# Allegro board LED_FIN.brd (continued)
## Routing (per net, layer and track width the routed paths; a pad name or vN(x,y) marks a point on that pad's centre or on a via; arc(x,y) is an arc through that point) (continued)
COL_CON_C5: length 66.2
  TOP w0.15: U458.1 267.05,37 266.85,37.2 227.9,37.2 227.7,37.4 J6.6
COL_CON_C6: length 65.5
  TOP w0.15: J6.7 226.43,37 226.63,36.8 264.85,36.8 265.05,36.6 U457.1
COL_CON_C7: length 64.8
  TOP w0.15: U456.1 263.05,36.2 262.85,36.4 225.36,36.4 225.16,36.6 J6.8
COL_CON_C8: length 64
  TOP w0.15: J6.9 223.89,36.2 224.09,36 260.85,36 261.05,35.8 U455.1
COL_CON_C9: length 63.3
  TOP w0.15: U454.1 259.05,35.4 258.85,35.6 222.82,35.6 222.62,35.8 J6.10
COL_CON_C10: length 62.6
  TOP w0.15: U453.1 257.05,35 256.85,35.2 221.55,35.2 221.35,35.4 J6.11
COL_CON_C11: length 61.8
  TOP w0.15: U452.1 255.05,34.6 254.85,34.8 220.28,34.8 220.08,35 J6.12
COL_CON_C12: length 61.1
  TOP w0.15: U451.1 253.05,34.2 252.85,34.4 219.01,34.4 218.81,34.6 J6.13
COL_CON_C13: length 60.4
  TOP w0.15: U450.1 251.05,33.8 250.85,34 217.74,34 217.54,34.2 J6.14
COL_CON_C14: length 59.6
  TOP w0.15: J6.15 216.27,33.8 216.47,33.6 248.85,33.6 249.05,33.4 U449.1
COL_CON_C15: length 58.9
  TOP w0.15: J6.16 215,33.4 215.2,33.2 246.85,33.2 247.05,33 U448.1
COL_CON_C16: length 58.2
  TOP w0.15: J6.17 213.73,33 213.93,32.8 244.85,32.8 245.05,32.6 U447.1
COL_CON_C17: length 57.5
  TOP w0.15: U446.1 243.05,32.2 242.85,32.4 212.66,32.4 212.46,32.6 J6.18
COL_CON_C18: length 56.7
  TOP w0.15: U445.1 241.05,31.8 240.85,32 211.39,32 211.19,32.2 J6.19
COL_CON_C19: length 56
  TOP w0.15: U444.1 239.05,31.4 238.85,31.6 210.12,31.6 209.92,31.8 J6.20
COL_CON_C20: length 55.3
  TOP w0.15: U443.1 237.05,31 236.85,31.2 208.85,31.2 208.65,31.4 J6.21
COL_CON_C21: length 54.5
  TOP w0.15: U442.1 235.05,30.6 234.85,30.8 207.58,30.8 207.38,31 J6.22
COL_CON_C22: length 53.8
  TOP w0.15: U441.1 233.05,30.2 232.85,30.4 206.31,30.4 206.11,30.6 J6.23
COL_CON_C23: length 53.1
  TOP w0.15: U440.1 231.05,29.8 230.85,30 205.04,30 204.84,30.2 J6.24
COL_CON_C24: length 52.3
  TOP w0.15: U439.1 229.05,29.4 228.85,29.6 203.77,29.6 203.57,29.8 J6.25
COL_CON_C25: length 51.6
  TOP w0.15: U438.1 227.05,29 226.85,29.2 202.5,29.2 202.3,29.4 J6.26
COL_CON_C26: length 50.9
  TOP w0.15: J6.27 201.03,29 201.23,28.8 224.85,28.8 225.05,28.6 U437.1
COL_CON_C27: length 50.2
  TOP w0.15: J6.28 199.76,28.6 199.96,28.4 222.85,28.4 223.05,28.2 U436.1
COL_CON_C28: length 49.4
  TOP w0.15: U435.1 221.05,27.8 220.85,28 198.69,28 198.49,28.2 J6.29
COL_CON_C29: length 48.7
  TOP w0.15: J6.30 197.22,27.8 197.42,27.6 218.85,27.6 219.05,27.4 U434.1
COL_CON_C30: length 48
  TOP w0.15: U431.1 217.05,27 216.85,27.2 196.15,27.2 195.95,27.4 J6.31
COL_CON_C31: length 47.2
  TOP w0.15: U430.1 215.05,26.6 214.85,26.8 194.88,26.8 194.68,27 J6.32
COL_CON_C32: length 46.5
  TOP w0.15: J6.33 193.41,26.6 193.61,26.4 212.85,26.4 213.05,26.2 U429.1
COL_CON_C33: length 45.8
  TOP w0.15: J6.34 192.14,26.2 192.34,26 210.85,26 211.05,25.8 U428.1
COL_CON_C34: length 45
  TOP w0.15: U427.1 209.05,25.4 208.85,25.6 191.07,25.6 190.87,25.8 J6.35
COL_CON_C35: length 44.3
  TOP w0.15: U426.1 207.05,25 206.85,25.2 189.8,25.2 189.6,25.4 J6.36
COL_CON_C36: length 43.6
  TOP w0.15: J6.37 188.33,25 188.53,24.8 204.85,24.8 205.05,24.6 U425.1
COL_CON_C37: length 42.9
  TOP w0.15: U424.1 203.05,24.2 202.85,24.4 187.26,24.4 187.06,24.6 J6.38
COL_CON_C38: length 42.1
  TOP w0.15: U423.1 201.05,23.8 200.85,24 185.99,24 185.79,24.2 J6.39
COL_CON_C39: length 41.4
  TOP w0.15: J6.40 184.52,23.8 184.72,23.6 198.85,23.6 199.05,23.4 U422.1
COL_CON_C40: length 41.9
  TOP w0.15: U421.1 197.05,23 196.85,23.2 182.25,23.2 182.05,23.4 J7.1
COL_CON_C41: length 41.1
  TOP w0.15: U420.1 195.05,22.6 194.85,22.8 180.98,22.8 180.78,23 J7.2
COL_CON_C42: length 40.4
  TOP w0.15: J7.3 179.51,22.6 179.71,22.4 192.85,22.4 193.05,22.2 U419.1
COL_CON_C43: length 39.7
  TOP w0.15: U418.1 191.05,21.8 190.85,22 178.44,22 178.24,22.2 J7.4
COL_CON_C44: length 38.9
  TOP w0.15: J7.5 176.97,21.8 177.17,21.6 188.85,21.6 189.05,21.4 U417.1
COL_CON_C45: length 38.2
  TOP w0.15: U416.1 187.05,21 186.85,21.2 175.9,21.2 175.7,21.4 J7.6
COL_CON_C46: length 37.5
  TOP w0.15: U415.1 185.05,20.6 184.85,20.8 174.63,20.8 174.43,21 J7.7
COL_CON_C47: length 36.8
  TOP w0.15: J7.8 173.16,20.6 173.36,20.4 182.85,20.4 183.05,20.2 U414.1
COL_CON_C48: length 36
  TOP w0.15: U413.1 181.05,19.8 180.85,20 172.09,20 171.89,20.2 J7.9
COL_CON_C49: length 35.3
  TOP w0.15: J7.10 170.62,19.8 170.82,19.6 178.85,19.6 179.05,19.4 U412.1
COL_CON_C50: length 34.6
  TOP w0.15: U411.1 177.05,19 176.85,19.2 169.55,19.2 169.35,19.4 J7.11
COL_CON_C51: length 33.8
  TOP w0.15: U410.1 175.05,18.6 174.85,18.8 168.28,18.8 168.08,19 J7.12
COL_CON_C52: length 33.1
  TOP w0.15: J7.13 166.81,18.6 167.01,18.4 172.85,18.4 173.05,18.2 U409.1
COL_CON_C53: length 32.4
  TOP w0.15: J7.14 165.54,18.2 165.74,18 170.85,18 171.05,17.8 U408.1
COL_CON_C54: length 31.6
  TOP w0.15: U407.1 169.05,17.4 168.85,17.6 164.47,17.6 164.27,17.8 J7.15
COL_CON_C55: length 30.9
  TOP w0.15: J7.16 163,17.4 163.2,17.2 166.85,17.2 167.05,17 U406.1
COL_CON_C56: length 30.2
  TOP w0.15: U405.1 165.05,16.6 164.85,16.8 161.93,16.8 161.73,17 J7.17
COL_CON_C57: length 29.5
  TOP w0.15: J7.18 160.46,16.6 160.66,16.4 162.85,16.4 163.05,16.2 U404.1
COL_CON_C58: length 28.7
  TOP w0.15: J7.19 159.19,16.2 159.39,16 160.85,16 161.05,15.8 U403.1
COL_CON_C59: length 27.6
  TOP w0.15: J7.20 157.92,15.8 159.05,14.67 U402.1
COL_CON_C60: length 27.3
  TOP w0.15: J7.21 157.05,39.85 U401.1
COL_CON_C61: length 27.2
  TOP w0.15: U400.1 155.05,39.92 J7.22
COL_CON_C62: length 27.5
  TOP w0.15: U399.1 153.05,15.54 154.11,16.6 J7.23
COL_CON_C63: length 27.8
  TOP w0.15: U398.1 151.05,15.21 152.84,17 J7.24
COL_CON_C64: length 28.1
  TOP w0.15: U397.1 149.05,14.88 151.57,17.4 J7.25
COL_CON_C65: length 28.4
  TOP w0.15: J7.26 150.3,17.8 147.05,14.55 U396.1
COL_CON_C66: length 28.7
  TOP w0.15: U395.1 145.05,14.22 149.03,18.2 J7.27
COL_CON_C67: length 31.6
  TOP w0.15: U514.1 143.05,18.2 143.25,18.4 147.56,18.4 147.76,18.6 J7.28
COL_CON_C68: length 32.3
  TOP w0.15: U513.1 141.05,18.6 141.25,18.8 146.29,18.8 146.49,19 J7.29
COL_CON_C69: length 33
  TOP w0.15: J7.30 145.22,19.4 145.02,19.2 139.25,19.2 139.05,19 U512.1
COL_CON_C70: length 33.8
  TOP w0.15: J7.31 143.95,19.8 143.75,19.6 137.25,19.6 137.05,19.4 U511.1
COL_CON_C71: length 34.5
  TOP w0.15: U510.1 135.05,19.8 135.25,20 142.48,20 142.68,20.2 J7.32
COL_CON_C72: length 35.2
  TOP w0.15: U509.1 133.05,20.2 133.25,20.4 141.21,20.4 141.41,20.6 J7.33
COL_CON_C73: length 36
  TOP w0.15: U508.1 131.05,20.6 131.25,20.8 139.94,20.8 140.14,21 J7.34
COL_CON_C74: length 36.7
  TOP w0.15: J7.35 138.87,21.4 138.67,21.2 129.25,21.2 129.05,21 U507.1
COL_CON_C75: length 37.4
  TOP w0.15: J7.36 137.6,21.8 137.4,21.6 127.25,21.6 127.05,21.4 U506.1
COL_CON_C76: length 38.1
  TOP w0.15: U505.1 125.05,21.8 125.25,22 136.13,22 136.33,22.2 J7.37
COL_CON_C77: length 38.9
  TOP w0.15: U504.1 123.05,22.2 123.25,22.4 134.86,22.4 135.06,22.6 J7.38
COL_CON_C78: length 39.6
  TOP w0.15: U503.1 121.05,22.6 121.25,22.8 133.59,22.8 133.79,23 J7.39
COL_CON_C79: length 40.3
  TOP w0.15: U502.1 119.05,23 119.25,23.2 132.32,23.2 132.52,23.4 J7.40
COL_CON_C80: length 39.9
  TOP w0.15: J8.1 130.05,23.8 129.85,23.6 117.25,23.6 117.05,23.4 U501.1
COL_CON_C81: length 40.6
  TOP w0.15: J8.2 128.78,24.2 128.58,24 115.25,24 115.05,23.8 U500.1
COL_CON_C82: length 41.3
  TOP w0.15: U499.1 113.05,24.2 113.25,24.4 127.31,24.4 127.51,24.6 J8.3
COL_CON_C83: length 42.1
  TOP w0.15: U498.1 111.05,24.6 111.25,24.8 126.04,24.8 126.24,25 J8.4
COL_CON_C84: length 42.8
  TOP w0.15: J8.5 124.97,25.4 124.77,25.2 109.25,25.2 109.05,25 U497.1
COL_CON_C85: length 43.5
  TOP w0.15: U496.1 107.05,25.4 107.25,25.6 123.5,25.6 123.7,25.8 J8.6
COL_CON_C86: length 44.2
  TOP w0.15: J8.7 122.43,26.2 122.23,26 105.25,26 105.05,25.8 U495.1
COL_CON_C87: length 45
  TOP w0.15: U494.1 103.05,26.2 103.25,26.4 120.96,26.4 121.16,26.6 J8.8
COL_CON_C88: length 45.7
  TOP w0.15: J8.9 119.89,27 119.69,26.8 101.25,26.8 101.05,26.6 U493.1
COL_CON_C89: length 46.4
  TOP w0.15: U492.1 99.05,27 99.25,27.2 118.42,27.2 118.62,27.4 J8.10
COL_CON_C90: length 47.2
  TOP w0.15: J8.11 117.35,27.8 117.15,27.6 97.25,27.6 97.05,27.4 U491.1
COL_CON_C91: length 47.9
  TOP w0.15: U490.1 95.05,27.8 95.25,28 115.88,28 116.08,28.2 J8.12
COL_CON_C92: length 48.6
  TOP w0.15: U489.1 93.05,28.2 93.25,28.4 114.61,28.4 114.81,28.6 J8.13
COL_CON_C93: length 49.4
  TOP w0.15: J8.14 113.54,29 113.34,28.8 91.25,28.8 91.05,28.6 U488.1
COL_CON_C94: length 50.1
  TOP w0.15: J8.15 112.27,29.4 112.07,29.2 89.25,29.2 89.05,29 U487.1
COL_CON_C95: length 50.8
  TOP w0.15: U486.1 87.05,29.4 87.25,29.6 110.8,29.6 111,29.8 J8.16
COL_CON_C96: length 51.5
  TOP w0.15: U485.1 85.05,29.8 85.25,30 109.53,30 109.73,30.2 J8.17
COL_CON_C97: length 52.3
  TOP w0.15: J8.18 108.46,30.6 108.26,30.4 83.25,30.4 83.05,30.2 U484.1
COL_CON_C98: length 53
  TOP w0.15: U483.1 81.05,30.6 81.25,30.8 106.99,30.8 107.19,31 J8.19
COL_CON_C99: length 53.7
  TOP w0.15: U482.1 79.05,31 79.25,31.2 105.72,31.2 105.92,31.4 J8.20
COL_CON_C100: length 54.5
  TOP w0.15: U481.1 77.05,31.4 77.25,31.6 104.45,31.6 104.65,31.8 J8.21
COL_CON_C101: length 55.2
  TOP w0.15: U480.1 75.05,31.8 75.25,32 103.18,32 103.38,32.2 J8.22
COL_CON_C102: length 55.9
  TOP w0.15: J8.23 102.11,32.6 101.91,32.4 73.25,32.4 73.05,32.2 U479.1
COL_CON_C103: length 56.7
  TOP w0.15: U478.1 71.05,32.6 71.25,32.8 100.64,32.8 100.84,33 J8.24
COL_CON_C104: length 57.4
  TOP w0.15: U477.1 69.05,33 69.25,33.2 99.37,33.2 99.57,33.4 J8.25
COL_CON_C105: length 58.1
  TOP w0.15: J8.26 98.3,33.8 98.1,33.6 67.25,33.6 67.05,33.4 U476.1
COL_CON_C106: length 58.8
  TOP w0.15: U475.1 65.05,33.8 65.25,34 96.83,34 97.03,34.2 J8.27
COL_CON_C107: length 59.6
  TOP w0.15: J8.28 95.76,34.6 95.56,34.4 63.25,34.4 63.05,34.2 U474.1
COL_CON_C108: length 60.3
  TOP w0.15: J8.29 94.49,35 94.29,34.8 61.25,34.8 61.05,34.6 U473.1
COL_CON_C109: length 61
  TOP w0.15: J8.30 93.22,35.4 93.02,35.2 59.25,35.2 59.05,35 U472.1
COL_CON_C110: length 61.8
  TOP w0.15: U471.1 57.05,35.4 57.25,35.6 91.75,35.6 91.95,35.8 J8.31
COL_CON_C111: length 62.5
  TOP w0.15: U470.1 55.05,35.8 55.25,36 90.48,36 90.68,36.2 J8.32
COL_CON_C112: length 63.2
  TOP w0.15: J8.33 89.41,36.6 89.21,36.4 53.25,36.4 53.05,36.2 U469.1
COL_CON_C113: length 64
  TOP w0.15: U468.1 51.05,36.6 51.25,36.8 87.94,36.8 88.14,37 J8.34
COL_CON_C114: length 64.7
  TOP w0.15: J8.35 86.87,37.4 86.67,37.2 49.25,37.2 49.05,37 U467.1
COL_CON_C115: length 65.4
  TOP w0.15: U466.1 47.05,37.4 47.25,37.6 85.4,37.6 85.6,37.8 J8.36
COL_CON_C116: length 66.1
  TOP w0.15: J8.37 84.33,38.2 84.13,38 45.25,38 45.05,37.8 U465.1
COL_CON_C117: length 65.9
  TOP w0.15: U464.1 43.05,38.2 43.25,38.4 81.21,38.4 J8.38
COL_CON_C118: length 66.9
  TOP w0.15: U433.1 41.05,38.6 41.25,38.8 80.34,38.8 J8.39
COL_CON_C119: length 67.8
  TOP w0.15: J8.40 40.3,40.25 39.05,39 U432.1
COL_OUT_A0: length 259.1
  TOP w0.15: 277.25,338.8 277.25,340.8 ; 277.25,338.8 D4260.1 ; 277.25,338.8 277.25,336.8 ; 277.25,340.8 277.25,342.8 ; 277.25,340.8 D4230.1 ; D4110.1 277.25,348.8 ; 277.25,348.8 277.25,346.8 ; 277.25,348.8 277.25,350.8 ; 277.25,342.8 D4200.1 ; 277.25,342.8 277.25,344.8 ; 277.25,350.8 277.25,352.8 ; 277.25,350.8 D4080.1 ; 277.25,352.8 D4050.1 ; 277.25,352.8 277.25,354.8 ; 277.25,346.8 D4140.1 ; 277.25,346.8 277.25,344.8 ; D4560.1 v1(277.25,318.8) 277.25,320.8 ; D4020.1 277.25,354.8 ; 277.25,354.8 277.25,356.8 ; D3660.1 277.25,378.8 ; 277.25,378.8 277.25,380.8 ; 277.25,378.8 277.25,376.8 ; 277.25,364.8 277.25,366.8 ; 277.25,364.8 277.25,362.8 ; 277.25,364.8 D3870.1 ; 277.25,366.8 D3840.1 ; 277.25,366.8 277.25,368.8 ; 277.25,362.8 277.25,360.8 ; 277.25,362.8 D3900.1 ; D4530.1 277.25,320.8 ; 277.25,320.8 277.25,322.8 ; 277.25,386.8 277.25,388.8 ; 277.25,386.8 277.25,384.8 ; 277.25,386.8 D3540.1 ; 277.25,388.8 277.25,390.8 ; 277.25,388.8 D3510.1 ; D4350.1 277.25,332.8 ; 277.25,332.8 277.25,330.8 ; 277.25,332.8 277.25,334.8 ; D3750.1 277.25,372.8 ; 277.25,372.8 277.25,374.8 ; 277.25,372.8 277.25,370.8 ; 277.25,380.8 277.25,382.8 ; 277.25,380.8 D3630.1 ; 277.25,374.8 D3720.1 ; 277.25,374.8 277.25,376.8 ; D4410.1 277.25,328.8 ; 277.25,328.8 277.25,330.8 ; 277.25,328.8 277.25,326.8 ; D3570.1 277.25,384.8 ; 277.25,384.8 277.25,382.8 ; 277.25,330.8 D4380.1 ; D4290.1 277.25,336.8 ; 277.25,336.8 277.25,334.8 ; 277.25,382.8 D3600.1 ; 277.25,370.8 D3780.1 ; 277.25,370.8 277.25,368.8 ; D4440.1 277.25,326.8 ; 277.25,326.8 277.25,324.8 ; v1(275.95,161.1) R120.1 ; 277.25,344.8 D4170.1 ; D4320.1 277.25,334.8 ; 277.25,358.8 277.25,360.8 ; 277.25,358.8 D3960.1 ; 277.25,358.8 277.25,356.8 ; 277.25,360.8 D3930.1 ; D3450.1 276.75,392.8 277.25,392.3 277.25,390.8 ; 277.25,376.8 D3690.1 ; 277.25,324.8 D4470.1 ; 277.25,324.8 277.25,322.8 ; D3480.1 277.25,390.8 ; 277.25,368.8 D3810.1 ; D3990.1 277.25,356.8 ; D4500.1 277.25,322.8
  BOTTOM w0.15: v1(277.25,318.8) 275.95,317.5 v1(275.95,161.1)
COL_OUT_A1: length 259.4
  TOP w0.15: D3509.1 v1(275.25,388.8) ; D3809.1 v1(275.25,368.8) ; D3569.1 v1(275.25,384.8) ; D4199.1 v1(275.25,342.8) ; D3929.1 v1(275.25,360.8) ; D4529.1 v1(275.25,320.8) ; D4409.1 v1(275.25,328.8) ; D4559.1 v1(275.25,318.8) ; D4049.1 v1(275.25,352.8) ; D4469.1 v1(275.25,324.8) ; D4499.1 v1(275.25,322.8) ; D3689.1 v1(275.25,376.8) ; D4289.1 v1(275.25,336.8) ; D3539.1 v1(275.25,386.8) ; D4319.1 v1(275.25,334.8) ; D3449.1 v1(275.25,392.8) ; D4439.1 v1(275.25,326.8) ; D3599.1 v1(275.25,382.8) ; D3959.1 v1(275.25,358.8) ; D4169.1 v1(275.25,344.8) ; D3719.1 v1(275.25,374.8) ; D4379.1 v1(275.25,330.8) ; D3479.1 v1(275.25,390.8) ; D3899.1 v1(275.25,362.8) ; D4079.1 v1(275.25,350.8) ; D4139.1 v1(275.25,346.8) ; D3839.1 v1(275.25,366.8) ; D4349.1 v1(275.25,332.8) ; D3779.1 v1(275.25,370.8) ; D4259.1 v1(275.25,338.8) ; D4109.1 v1(275.25,348.8) ; D3989.1 v1(275.25,356.8) ; D4229.1 v1(275.25,340.8) ; D3749.1 v1(275.25,372.8) ; v1(273.95,161.1) R119.1 ; D3869.1 v1(275.25,364.8) ; D4019.1 v1(275.25,354.8) ; D3629.1 v1(275.25,380.8) ; D3659.1 v1(275.25,378.8)
  BOTTOM w0.15: v1(275.25,392.8) v1(275.25,390.8) v1(275.25,388.8) v1(275.25,386.8) v1(275.25,384.8) v1(275.25,382.8) v1(275.25,380.8) v1(275.25,378.8) v1(275.25,376.8) v1(275.25,374.8) v1(275.25,372.8) v1(275.25,370.8) v1(275.25,368.8) v1(275.25,366.8) v1(275.25,364.8) v1(275.25,362.8) v1(275.25,360.8) v1(275.25,358.8) v1(275.25,356.8) v1(275.25,354.8) v1(275.25,352.8) v1(275.25,350.8) v1(275.25,348.8) v1(275.25,346.8) v1(275.25,344.8) v1(275.25,342.8) v1(275.25,340.8) v1(275.25,338.8) v1(275.25,336.8) v1(275.25,334.8) v1(275.25,332.8) v1(275.25,330.8) v1(275.25,328.8) v1(275.25,326.8) v1(275.25,324.8) v1(275.25,322.8) v1(275.25,320.8) v1(275.25,318.8) 273.95,317.5 v1(273.95,161.1)
COL_OUT_A2: length 259.4
  TOP w0.15: D3448.1 v1(273.25,392.8) ; D3868.1 v1(273.25,364.8) ; D3928.1 v1(273.25,360.8) ; D3778.1 v1(273.25,370.8) ; D4528.1 v1(273.25,320.8) ; D3988.1 v1(273.25,356.8) ; D3958.1 v1(273.25,358.8) ; D3898.1 v1(273.25,362.8) ; D4078.1 v1(273.25,350.8) ; D4228.1 v1(273.25,340.8) ; D4288.1 v1(273.25,336.8) ; D4348.1 v1(273.25,332.8) ; D4048.1 v1(273.25,352.8) ; D4378.1 v1(273.25,330.8) ; D3808.1 v1(273.25,368.8) ; D3628.1 v1(273.25,380.8) ; D4318.1 v1(273.25,334.8) ; D3598.1 v1(273.25,382.8) ; D4498.1 v1(273.25,322.8) ; v1(271.95,161.1) R118.1 ; D3748.1 v1(273.25,372.8) ; D4438.1 v1(273.25,326.8) ; D3658.1 v1(273.25,378.8) ; D4168.1 v1(273.25,344.8) ; D3688.1 v1(273.25,376.8) ; D3838.1 v1(273.25,366.8) ; D4468.1 v1(273.25,324.8) ; D3568.1 v1(273.25,384.8) ; D4408.1 v1(273.25,328.8) ; D3508.1 v1(273.25,388.8) ; D4258.1 v1(273.25,338.8) ; D4558.1 v1(273.25,318.8) ; D4108.1 v1(273.25,348.8) ; D4138.1 v1(273.25,346.8) ; D4198.1 v1(273.25,342.8) ; D3718.1 v1(273.25,374.8) ; D3538.1 v1(273.25,386.8) ; D3478.1 v1(273.25,390.8) ; D4018.1 v1(273.25,354.8)
  BOTTOM w0.15: v1(273.25,392.8) v1(273.25,390.8) v1(273.25,388.8) v1(273.25,386.8) v1(273.25,384.8) v1(273.25,382.8) v1(273.25,380.8) v1(273.25,378.8) v1(273.25,376.8) v1(273.25,374.8) v1(273.25,372.8) v1(273.25,370.8) v1(273.25,368.8) v1(273.25,366.8) v1(273.25,364.8) v1(273.25,362.8) v1(273.25,360.8) v1(273.25,358.8) v1(273.25,356.8) v1(273.25,354.8) v1(273.25,352.8) v1(273.25,350.8) v1(273.25,348.8) v1(273.25,346.8) v1(273.25,344.8) v1(273.25,342.8) v1(273.25,340.8) v1(273.25,338.8) v1(273.25,336.8) v1(273.25,334.8) v1(273.25,332.8) v1(273.25,330.8) v1(273.25,328.8) v1(273.25,326.8) v1(273.25,324.8) v1(273.25,322.8) v1(273.25,320.8) v1(273.25,318.8) 271.95,317.5 v1(271.95,161.1)
COL_OUT_A3: length 259.4
  TOP w0.15: D4017.1 v1(271.25,354.8) ; D4137.1 v1(271.25,346.8) ; D4527.1 v1(271.25,320.8) ; D4407.1 v1(271.25,328.8) ; D4167.1 v1(271.25,344.8) ; D4227.1 v1(271.25,340.8) ; D4347.1 v1(271.25,332.8) ; D3927.1 v1(271.25,360.8) ; D3747.1 v1(271.25,372.8) ; v1(269.95,161.1) R117.1 ; D3537.1 v1(271.25,386.8) ; D3477.1 v1(271.25,390.8) ; D3717.1 v1(271.25,374.8) ; D4287.1 v1(271.25,336.8) ; D3957.1 v1(271.25,358.8) ; D4257.1 v1(271.25,338.8) ; D3507.1 v1(271.25,388.8) ; D4467.1 v1(271.25,324.8) ; D4077.1 v1(271.25,350.8) ; D4197.1 v1(271.25,342.8) ; D3567.1 v1(271.25,384.8) ; D4317.1 v1(271.25,334.8) ; D3837.1 v1(271.25,366.8) ; D3897.1 v1(271.25,362.8) ; D4557.1 v1(271.25,318.8) ; D3627.1 v1(271.25,380.8) ; D3447.1 v1(271.25,392.8) ; D3867.1 v1(271.25,364.8) ; D4497.1 v1(271.25,322.8) ; D4107.1 v1(271.25,348.8) ; D3657.1 v1(271.25,378.8) ; D4047.1 v1(271.25,352.8) ; D3687.1 v1(271.25,376.8) ; D3987.1 v1(271.25,356.8) ; D4437.1 v1(271.25,326.8) ; D3777.1 v1(271.25,370.8) ; D3807.1 v1(271.25,368.8) ; D4377.1 v1(271.25,330.8) ; D3597.1 v1(271.25,382.8)
  BOTTOM w0.15: v1(269.95,161.1) 269.95,317.5 v1(271.25,318.8) v1(271.25,320.8) v1(271.25,322.8) v1(271.25,324.8) v1(271.25,326.8) v1(271.25,328.8) v1(271.25,330.8) v1(271.25,332.8) v1(271.25,334.8) v1(271.25,336.8) v1(271.25,338.8) v1(271.25,340.8) v1(271.25,342.8) v1(271.25,344.8) v1(271.25,346.8) v1(271.25,348.8) v1(271.25,350.8) v1(271.25,352.8) v1(271.25,354.8) v1(271.25,356.8) v1(271.25,358.8) v1(271.25,360.8) v1(271.25,362.8) v1(271.25,364.8) v1(271.25,366.8) v1(271.25,368.8) v1(271.25,370.8) v1(271.25,372.8) v1(271.25,374.8) v1(271.25,376.8) v1(271.25,378.8) v1(271.25,380.8) v1(271.25,382.8) v1(271.25,384.8) v1(271.25,386.8) v1(271.25,388.8) v1(271.25,390.8) v1(271.25,392.8)
COL_OUT_A4: length 259.4
  TOP w0.15: D3566.1 v1(269.25,384.8) ; D4136.1 v1(269.25,346.8) ; D3626.1 v1(269.25,380.8) ; D4436.1 v1(269.25,326.8) ; D3926.1 v1(269.25,360.8) ; D4496.1 v1(269.25,322.8) ; D4466.1 v1(269.25,324.8) ; D3536.1 v1(269.25,386.8) ; D4526.1 v1(269.25,320.8) ; D4196.1 v1(269.25,342.8) ; D3716.1 v1(269.25,374.8) ; D3746.1 v1(269.25,372.8) ; D4316.1 v1(269.25,334.8) ; v1(267.95,161.1) R116.1 ; D3686.1 v1(269.25,376.8) ; D4226.1 v1(269.25,340.8) ; D3806.1 v1(269.25,368.8) ; D3446.1 v1(269.25,392.8) ; D4556.1 v1(269.25,318.8) ; D3836.1 v1(269.25,366.8) ; D3866.1 v1(269.25,364.8) ; D4016.1 v1(269.25,354.8) ; D4166.1 v1(269.25,344.8) ; D4106.1 v1(269.25,348.8) ; D3596.1 v1(269.25,382.8) ; D4256.1 v1(269.25,338.8) ; D4076.1 v1(269.25,350.8) ; D3956.1 v1(269.25,358.8) ; D3506.1 v1(269.25,388.8) ; D3476.1 v1(269.25,390.8) ; D3896.1 v1(269.25,362.8) ; D4406.1 v1(269.25,328.8) ; D4346.1 v1(269.25,332.8) ; D4046.1 v1(269.25,352.8) ; D3776.1 v1(269.25,370.8) ; D3656.1 v1(269.25,378.8) ; D3986.1 v1(269.25,356.8) ; D4376.1 v1(269.25,330.8) ; D4286.1 v1(269.25,336.8)
  BOTTOM w0.15: v1(267.95,161.1) 267.95,317.5 v1(269.25,318.8) v1(269.25,320.8) v1(269.25,322.8) v1(269.25,324.8) v1(269.25,326.8) v1(269.25,328.8) v1(269.25,330.8) v1(269.25,332.8) v1(269.25,334.8) v1(269.25,336.8) v1(269.25,338.8) v1(269.25,340.8) v1(269.25,342.8) v1(269.25,344.8) v1(269.25,346.8) v1(269.25,348.8) v1(269.25,350.8) v1(269.25,352.8) v1(269.25,354.8) v1(269.25,356.8) v1(269.25,358.8) v1(269.25,360.8) v1(269.25,362.8) v1(269.25,364.8) v1(269.25,366.8) v1(269.25,368.8) v1(269.25,370.8) v1(269.25,372.8) v1(269.25,374.8) v1(269.25,376.8) v1(269.25,378.8) v1(269.25,380.8) v1(269.25,382.8) v1(269.25,384.8) v1(269.25,386.8) v1(269.25,388.8) v1(269.25,390.8) v1(269.25,392.8)
COL_OUT_A5: length 259.4
  TOP w0.15: D4465.1 v1(267.25,324.8) ; D4345.1 v1(267.25,332.8) ; D4525.1 v1(267.25,320.8) ; D4105.1 v1(267.25,348.8) ; D4255.1 v1(267.25,338.8) ; D4165.1 v1(267.25,344.8) ; D4195.1 v1(267.25,342.8) ; D3985.1 v1(267.25,356.8) ; D3805.1 v1(267.25,368.8) ; D4075.1 v1(267.25,350.8) ; D3445.1 v1(267.25,392.8) ; D3865.1 v1(267.25,364.8) ; D3835.1 v1(267.25,366.8) ; D4225.1 v1(267.25,340.8) ; D3655.1 v1(267.25,378.8) ; D4015.1 v1(267.25,354.8) ; D3715.1 v1(267.25,374.8) ; D3475.1 v1(267.25,390.8) ; D3685.1 v1(267.25,376.8) ; D3955.1 v1(267.25,358.8) ; D3895.1 v1(267.25,362.8) ; v1(265.95,161.1) R115.1 ; D3535.1 v1(267.25,386.8) ; D4495.1 v1(267.25,322.8) ; D3505.1 v1(267.25,388.8) ; D3775.1 v1(267.25,370.8) ; D3925.1 v1(267.25,360.8) ; D3625.1 v1(267.25,380.8) ; D4405.1 v1(267.25,328.8) ; D4315.1 v1(267.25,334.8) ; D4375.1 v1(267.25,330.8) ; D3595.1 v1(267.25,382.8) ; D3565.1 v1(267.25,384.8) ; D4135.1 v1(267.25,346.8) ; D4555.1 v1(267.25,318.8) ; D4045.1 v1(267.25,352.8) ; D4285.1 v1(267.25,336.8) ; D3745.1 v1(267.25,372.8) ; D4435.1 v1(267.25,326.8)
  BOTTOM w0.15: v1(265.95,161.1) 265.95,317.5 v1(267.25,318.8) v1(267.25,320.8) v1(267.25,322.8) v1(267.25,324.8) v1(267.25,326.8) v1(267.25,328.8) v1(267.25,330.8) v1(267.25,332.8) v1(267.25,334.8) v1(267.25,336.8) v1(267.25,338.8) v1(267.25,340.8) v1(267.25,342.8) v1(267.25,344.8) v1(267.25,346.8) v1(267.25,348.8) v1(267.25,350.8) v1(267.25,352.8) v1(267.25,354.8) v1(267.25,356.8) v1(267.25,358.8) v1(267.25,360.8) v1(267.25,362.8) v1(267.25,364.8) v1(267.25,366.8) v1(267.25,368.8) v1(267.25,370.8) v1(267.25,372.8) v1(267.25,374.8) v1(267.25,376.8) v1(267.25,378.8) v1(267.25,380.8) v1(267.25,382.8) v1(267.25,384.8) v1(267.25,386.8) v1(267.25,388.8) v1(267.25,390.8) v1(267.25,392.8)
COL_OUT_A6: length 259.4
  TOP w0.15: D3594.1 v1(265.25,382.8) ; D3654.1 v1(265.25,378.8) ; D3774.1 v1(265.25,370.8) ; D4194.1 v1(265.25,342.8) ; D4494.1 v1(265.25,322.8) ; D3744.1 v1(265.25,372.8) ; D4074.1 v1(265.25,350.8) ; D3834.1 v1(265.25,366.8) ; D3714.1 v1(265.25,374.8) ; D4464.1 v1(265.25,324.8) ; D3684.1 v1(265.25,376.8) ; D4434.1 v1(265.25,326.8) ; D3534.1 v1(265.25,386.8) ; D3864.1 v1(265.25,364.8) ; D4134.1 v1(265.25,346.8) ; D4104.1 v1(265.25,348.8) ; D3924.1 v1(265.25,360.8) ; v1(263.95,161.1) R114.1 ; D4524.1 v1(265.25,320.8) ; D4314.1 v1(265.25,334.8) ; D4224.1 v1(265.25,340.8) ; D3804.1 v1(265.25,368.8) ; D3894.1 v1(265.25,362.8) ; D3624.1 v1(265.25,380.8) ; D3444.1 v1(265.25,392.8) ; D4014.1 v1(265.25,354.8) ; D3984.1 v1(265.25,356.8) ; D4164.1 v1(265.25,344.8) ; D4344.1 v1(265.25,332.8) ; D4554.1 v1(265.25,318.8) ; D4284.1 v1(265.25,336.8) ; D4254.1 v1(265.25,338.8) ; D4404.1 v1(265.25,328.8) ; D3474.1 v1(265.25,390.8) ; D3954.1 v1(265.25,358.8) ; D4044.1 v1(265.25,352.8) ; D3564.1 v1(265.25,384.8) ; D3504.1 v1(265.25,388.8) ; D4374.1 v1(265.25,330.8)
  BOTTOM w0.15: v1(263.95,161.1) 263.95,317.5 v1(265.25,318.8) v1(265.25,320.8) v1(265.25,322.8) v1(265.25,324.8) v1(265.25,326.8) v1(265.25,328.8) v1(265.25,330.8) v1(265.25,332.8) v1(265.25,334.8) v1(265.25,336.8) v1(265.25,338.8) v1(265.25,340.8) v1(265.25,342.8) v1(265.25,344.8) v1(265.25,346.8) v1(265.25,348.8) v1(265.25,350.8) v1(265.25,352.8) v1(265.25,354.8) v1(265.25,356.8) v1(265.25,358.8) v1(265.25,360.8) v1(265.25,362.8) v1(265.25,364.8) v1(265.25,366.8) v1(265.25,368.8) v1(265.25,370.8) v1(265.25,372.8) v1(265.25,374.8) v1(265.25,376.8) v1(265.25,378.8) v1(265.25,380.8) v1(265.25,382.8) v1(265.25,384.8) v1(265.25,386.8) v1(265.25,388.8) v1(265.25,390.8) v1(265.25,392.8)
COL_OUT_A7: length 259.4
  TOP w0.15: D3443.1 v1(263.25,392.8) ; D4343.1 v1(263.25,332.8) ; D4523.1 v1(263.25,320.8) ; D4013.1 v1(263.25,354.8) ; D4223.1 v1(263.25,340.8) ; D3563.1 v1(263.25,384.8) ; D3893.1 v1(263.25,362.8) ; D3473.1 v1(263.25,390.8) ; D3953.1 v1(263.25,358.8) ; D4403.1 v1(263.25,328.8) ; D4283.1 v1(263.25,336.8) ; D3683.1 v1(263.25,376.8) ; D3863.1 v1(263.25,364.8) ; D3983.1 v1(263.25,356.8) ; D4313.1 v1(263.25,334.8) ; D4163.1 v1(263.25,344.8) ; D3623.1 v1(263.25,380.8) ; D3773.1 v1(263.25,370.8) ; v1(261.95,161.1) R113.1 ; D3653.1 v1(263.25,378.8) ; D4433.1 v1(263.25,326.8) ; D3593.1 v1(263.25,382.8) ; D4463.1 v1(263.25,324.8) ; D4073.1 v1(263.25,350.8) ; D4373.1 v1(263.25,330.8) ; D3713.1 v1(263.25,374.8) ; D4493.1 v1(263.25,322.8) ; D3833.1 v1(263.25,366.8) ; D4103.1 v1(263.25,348.8) ; D4553.1 v1(263.25,318.8) ; D4133.1 v1(263.25,346.8) ; D3743.1 v1(263.25,372.8) ; D3803.1 v1(263.25,368.8) ; D4043.1 v1(263.25,352.8) ; D3533.1 v1(263.25,386.8) ; D3923.1 v1(263.25,360.8) ; D4253.1 v1(263.25,338.8) ; D3503.1 v1(263.25,388.8) ; D4193.1 v1(263.25,342.8)
  BOTTOM w0.15: v1(263.25,392.8) v1(263.25,390.8) v1(263.25,388.8) v1(263.25,386.8) v1(263.25,384.8) v1(263.25,382.8) v1(263.25,380.8) v1(263.25,378.8) v1(263.25,376.8) v1(263.25,374.8) v1(263.25,372.8) v1(263.25,370.8) v1(263.25,368.8) v1(263.25,366.8) v1(263.25,364.8) v1(263.25,362.8) v1(263.25,360.8) v1(263.25,358.8) v1(263.25,356.8) v1(263.25,354.8) v1(263.25,352.8) v1(263.25,350.8) v1(263.25,348.8) v1(263.25,346.8) v1(263.25,344.8) v1(263.25,342.8) v1(263.25,340.8) v1(263.25,338.8) v1(263.25,336.8) v1(263.25,334.8) v1(263.25,332.8) v1(263.25,330.8) v1(263.25,328.8) v1(263.25,326.8) v1(263.25,324.8) v1(263.25,322.8) v1(263.25,320.8) v1(263.25,318.8) 261.95,317.5 v1(261.95,161.1)
